# Altium PCB PCB.PcbDoc
Units mil, origin at the board's own origin, x right, y up, seen from the top; angles counter-clockwise.
Board outline 9031 x 5578 mil, 2 copper layers (Top Layer, Bottom Layer); 157 components, 77 nets, 415 pads, 525 vias.
Unrouted connection lines stored in the file: 21.
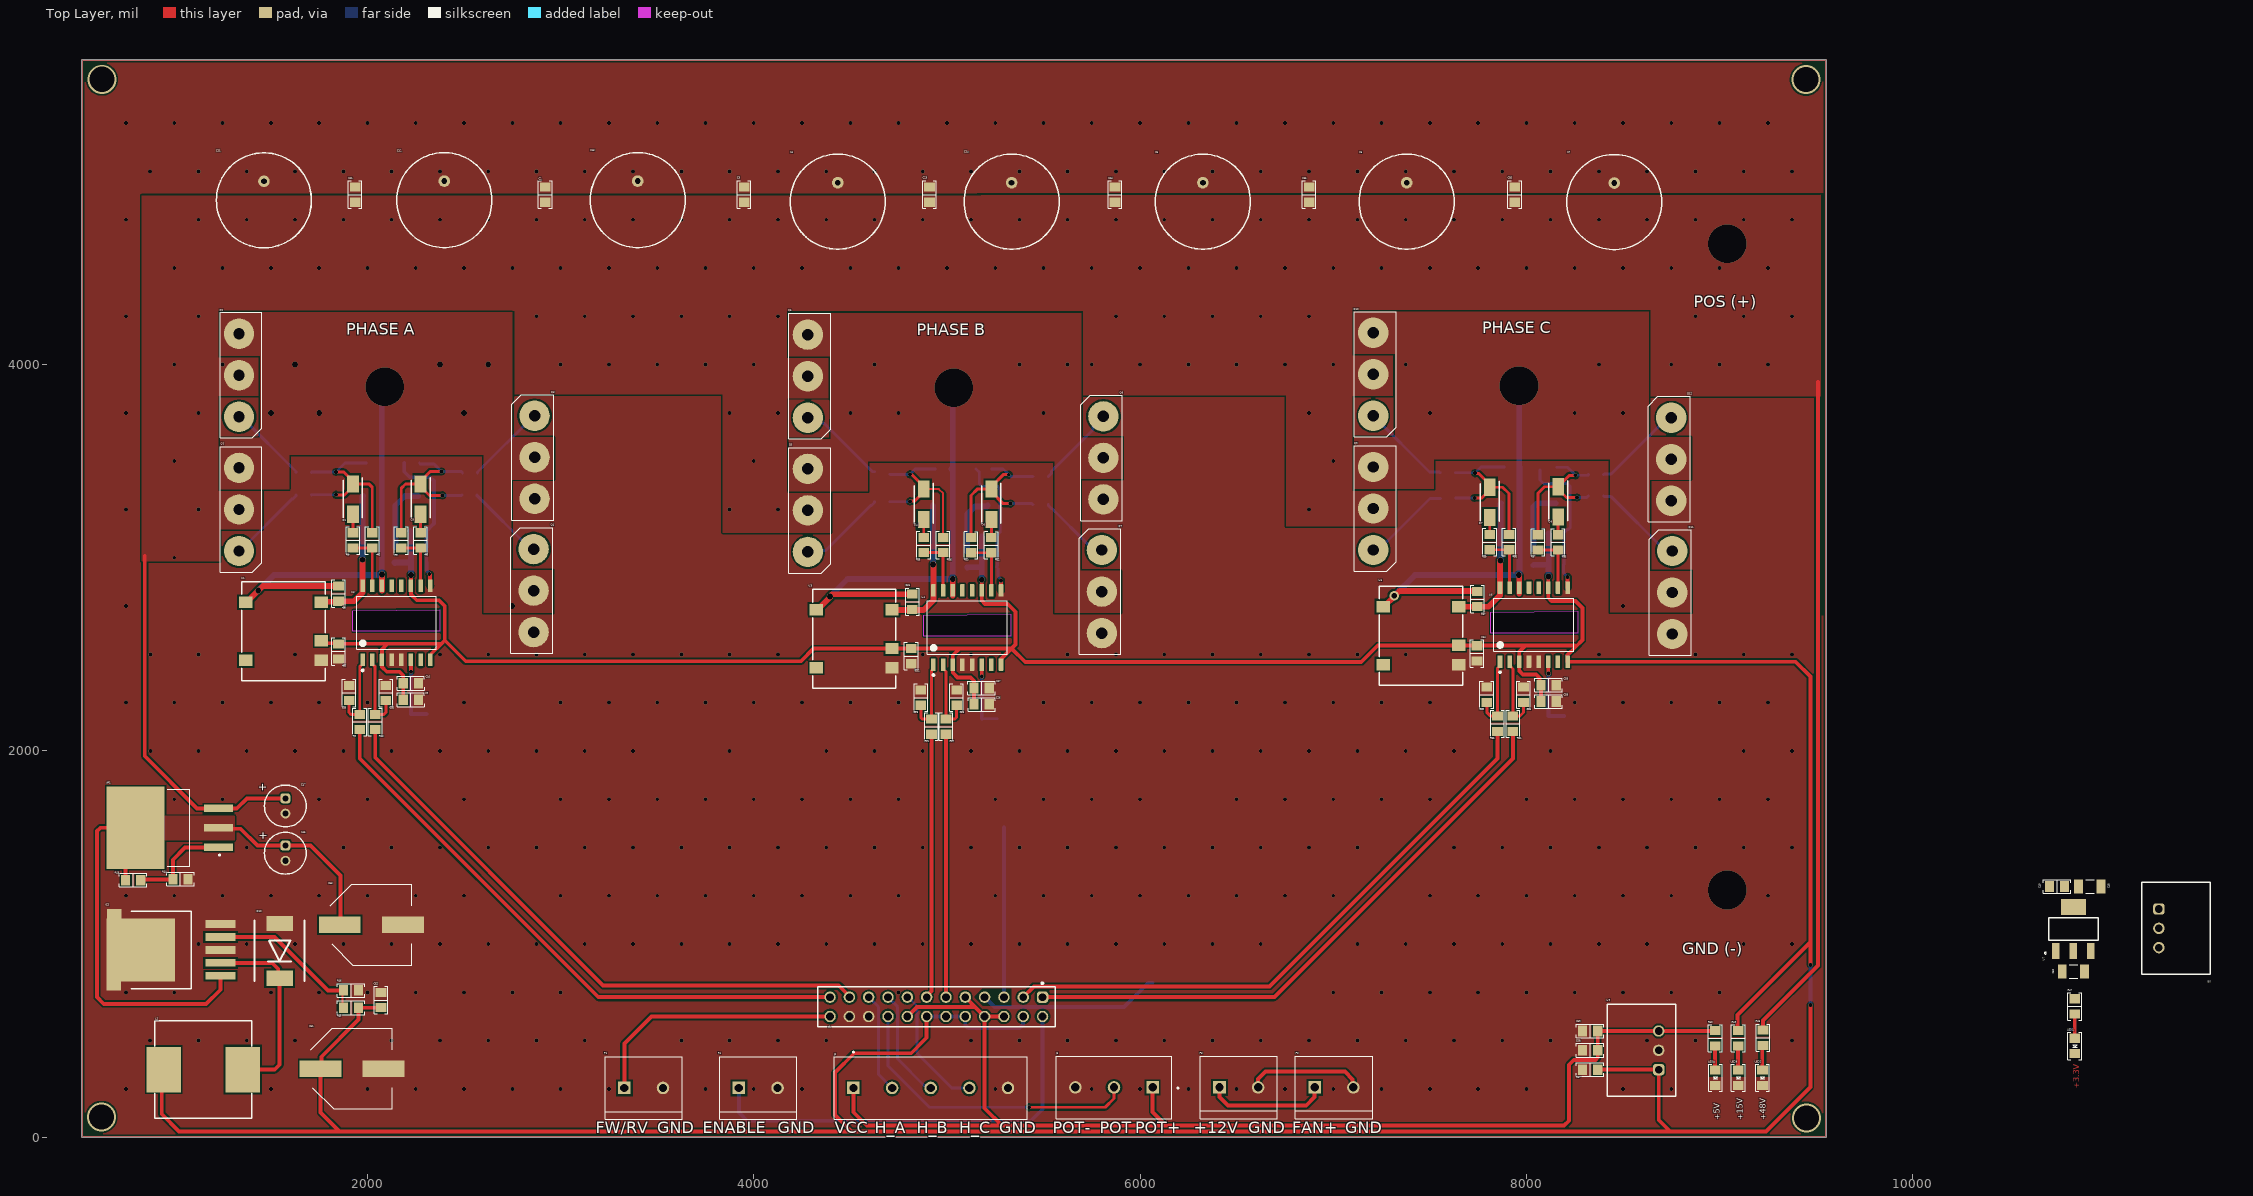
[diagram p0: Top Layer view]
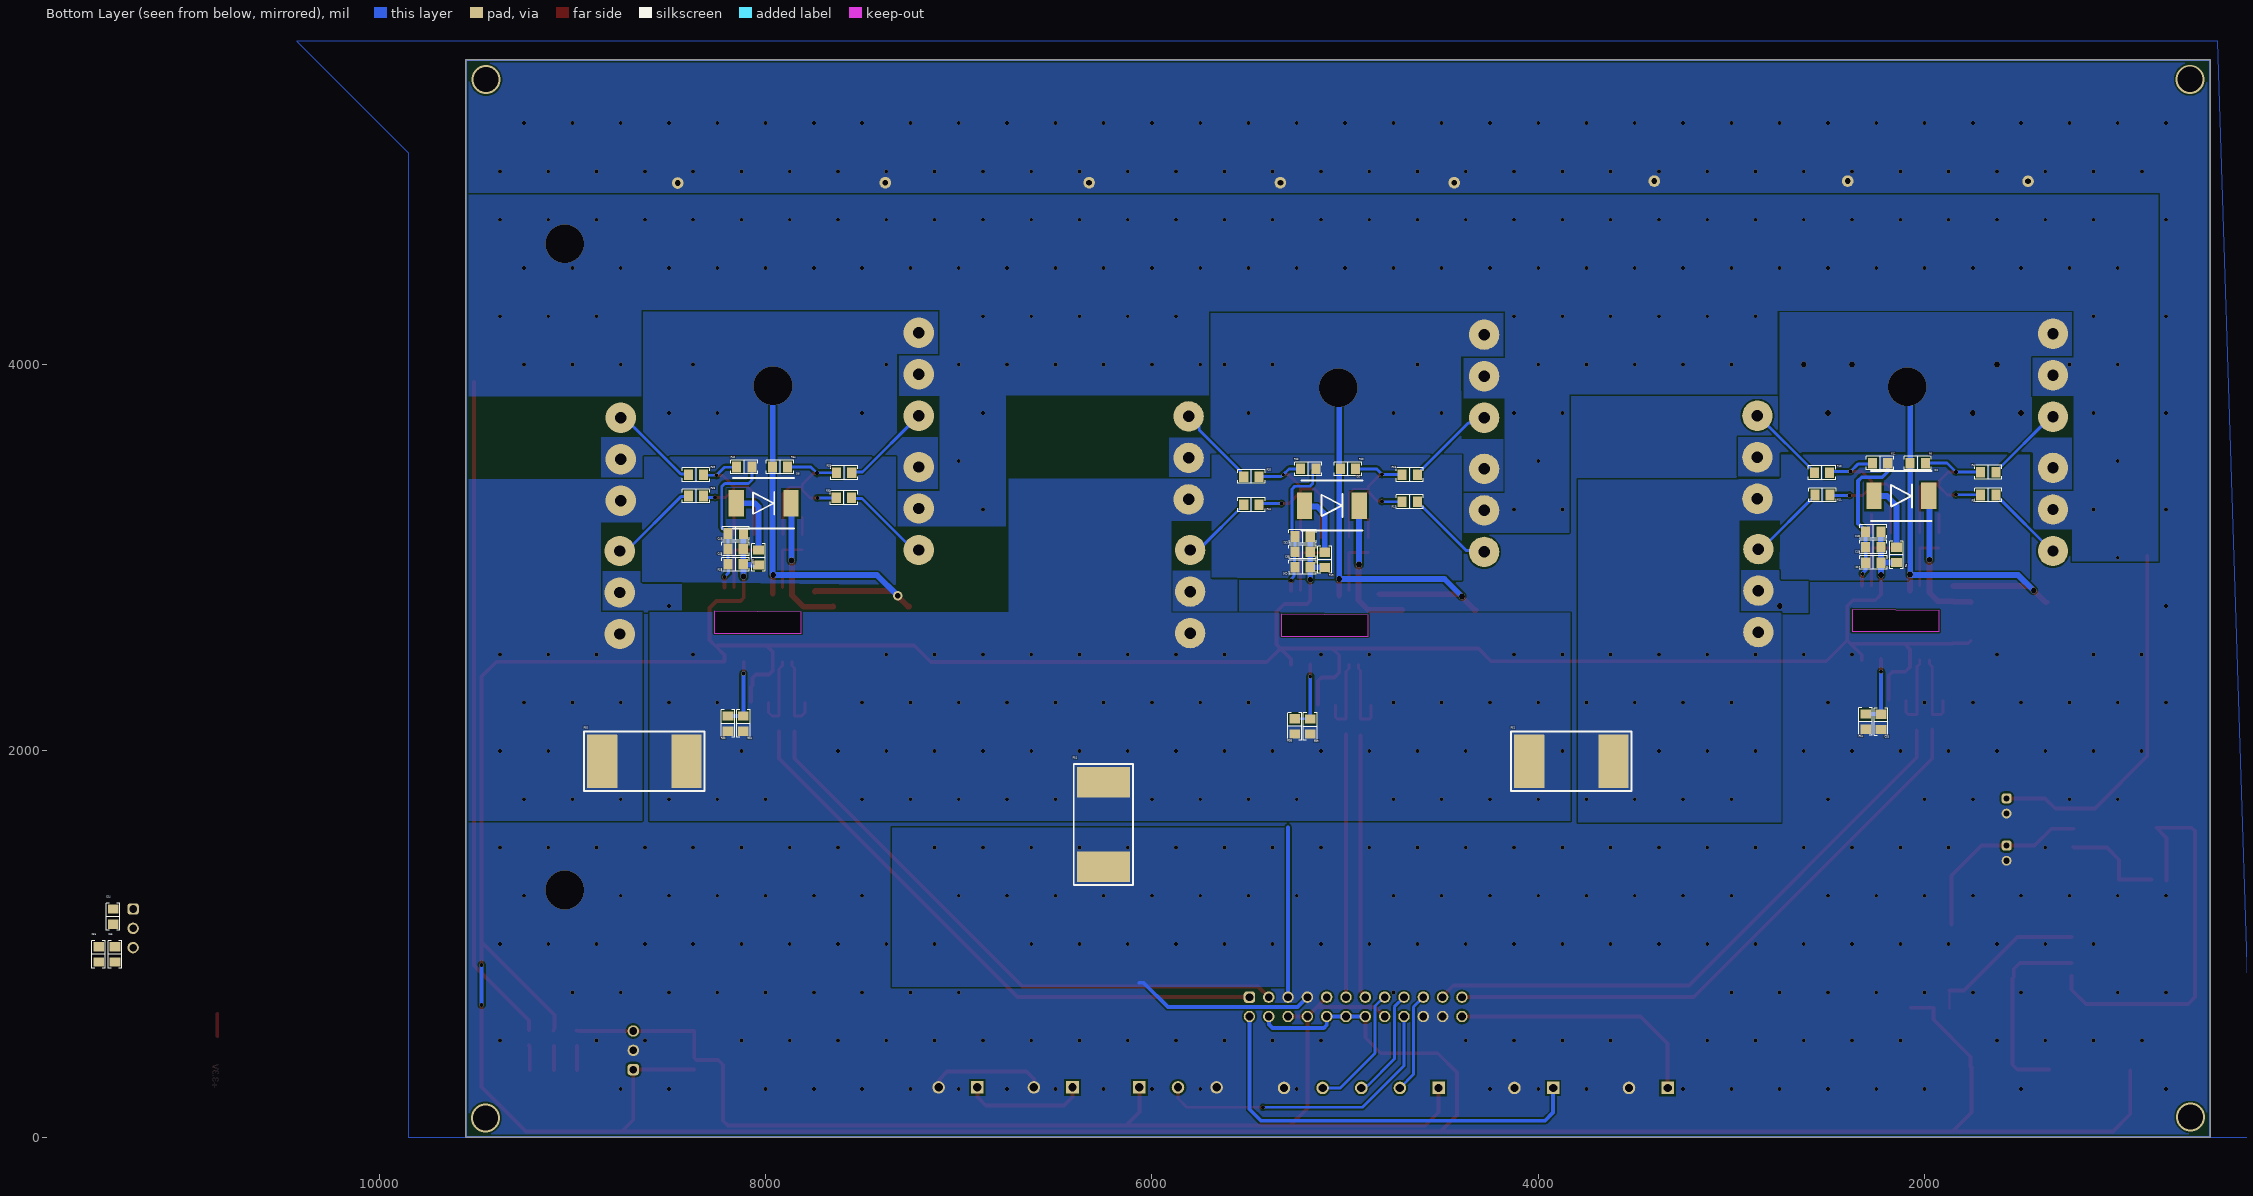
[diagram p1: Bottom Layer view, seen from below]
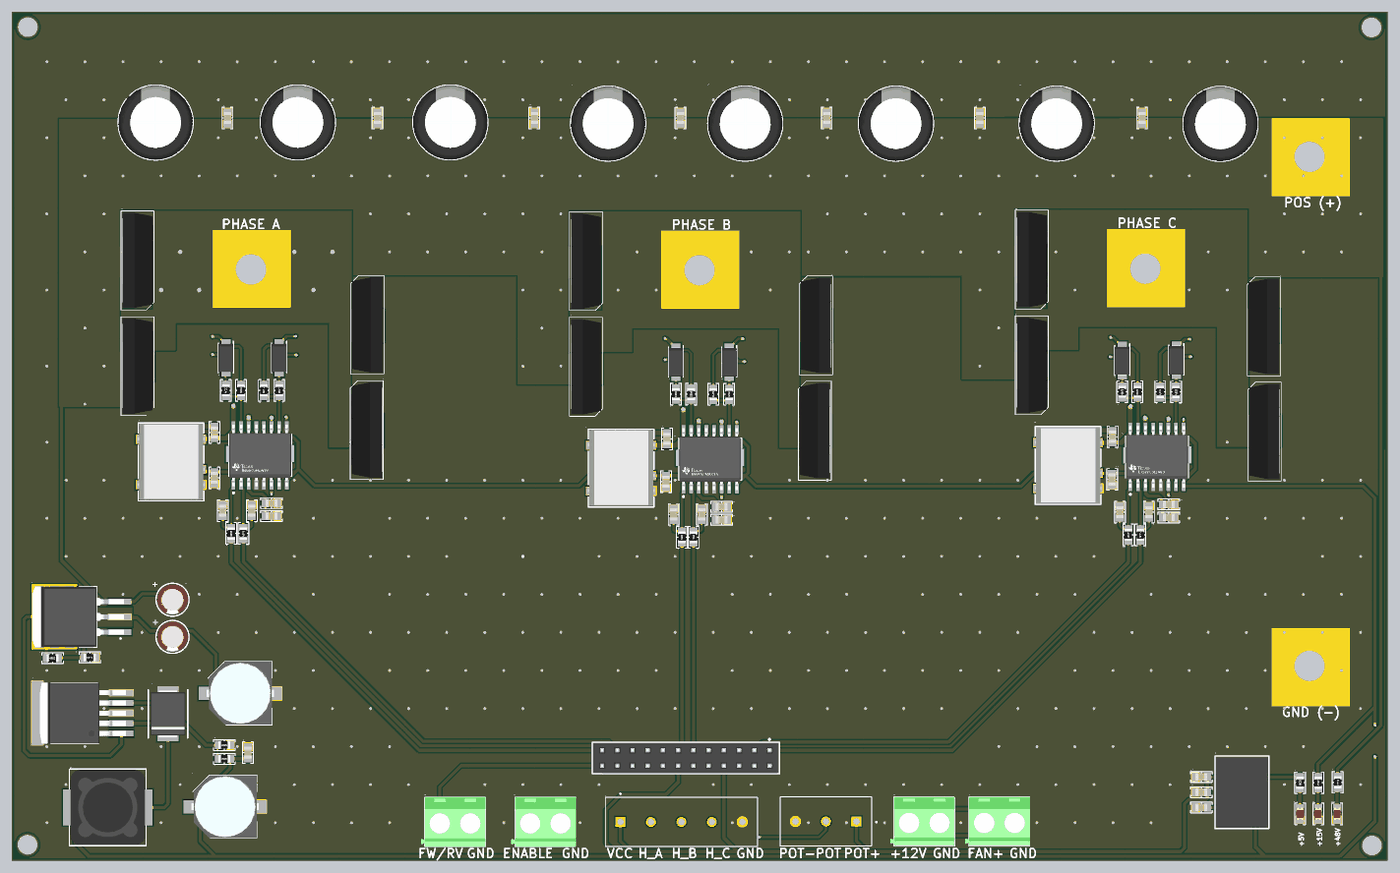
[diagram p2: 3D render of the assembled board from above, using the file's embedded part models]
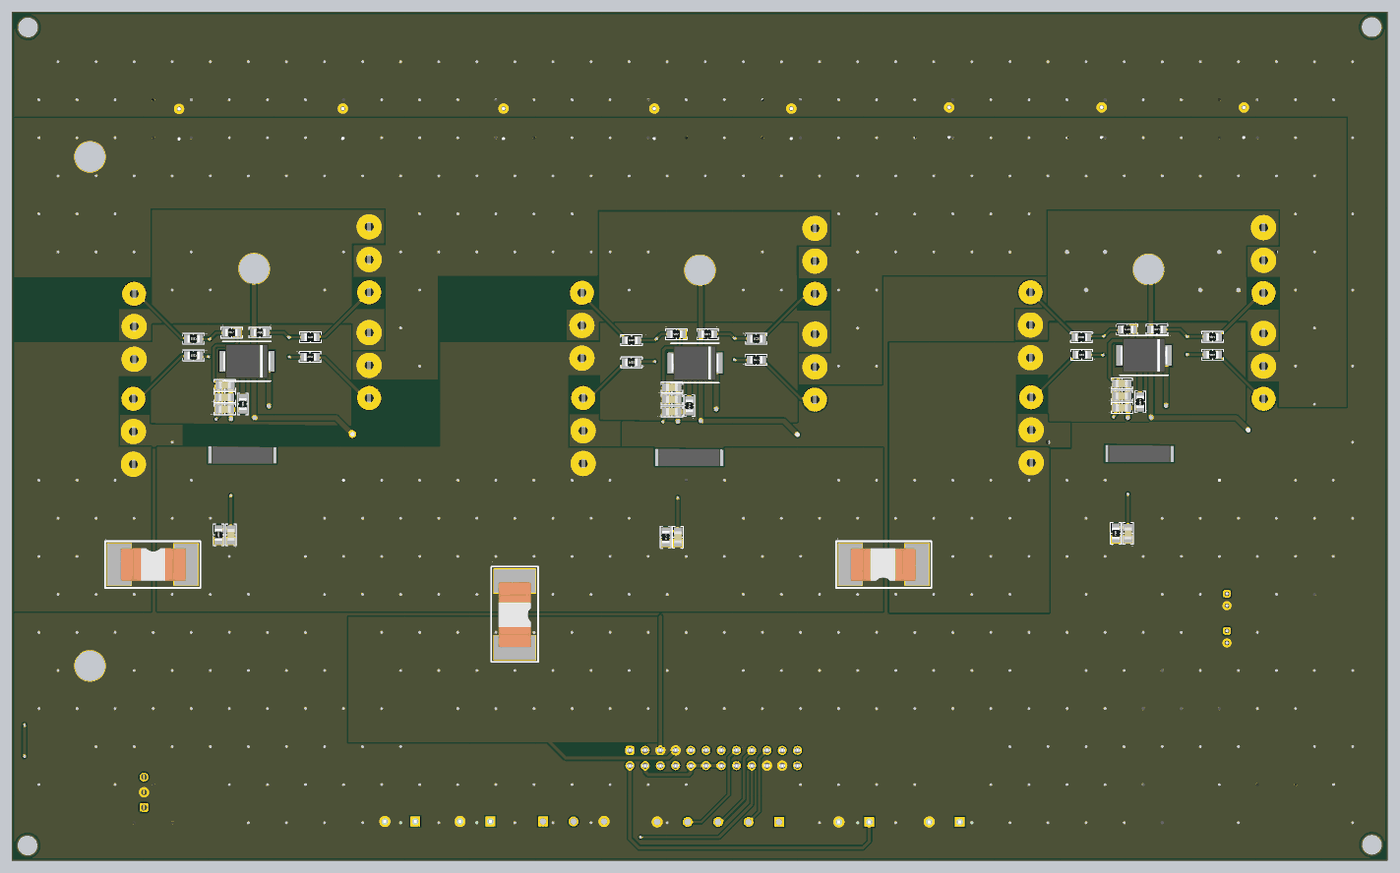
[diagram p3: 3D render of the assembled board from below, using the file's embedded part models]

## Layer stack, top to bottom
Top Solder: solder mask 0.4, Solder Resist, Dk 3.5
Top Layer: signal copper 1.4
Dielectric 1: dielectric 12.6, FR-4, Dk 4.8
Bottom Layer: signal copper 1.4
Bottom Solder: solder mask 0.4, Solder Resist, Dk 3.5

## Board outline
521,0 521,5578 9552,5578 9552,0
cut-out: 7815,2609.39 7815,2716.69 8265,2721.87 8265,2609.39
cut-out: 1925,2618.76 1925,2726.06 2375,2731.24 2375,2618.76
cut-out: 4880,2594.39 4880,2701.69 5330,2706.87 5330,2594.39

## Design rules (kind name [scope] priority, off if disabled: settings)
Clearance [All] p1: gap=10 ignorepadtopadclearanceinfootprint=FALSE except(0: Arc-Hole Track-Hole SMDPad-Hole THPad-Hole Via-Hole Fill-Hole Poly-Hole Region-Hole Text-Hole)
PolygonConnect [All] p1: connectstyle=Direct reliefconductorwidth=10 reliefentries=4 polygonreliefangle="90 Angle" airgapwidth=10
RoutingVias [All] p1: holewidth=28 width=50 viastyle="Through Hole" minholewidth=28 minwidth=50 maxholewidth=28 maxwidth=50
SolderMaskExpansion [All] p1: expansion=4 istentingtop=FALSE
Width [All] p1: maxlimit=40 minlimit=10 preferedwidth=10 minimp=50.000000 maximp=50.000000 favimp=50.000000
30 further rules are at their usual default settings.

## Classes and differential pairs
component class Regulator: C46 C47 C48 C49 C50 C51 C52 C53 C54 C55 C56 C57 C58 C59 D10 IC1 L1 LED1 LED2 LED3 LED4 R43 R44 R45 R46 R47 R48 R49 R50 U7 U8 U9 VR1
component class Power: C1 C2 C3 C4 C5 C6 C7 C8 C9 C10 C11 C12 C13 C14 C15 C16 C17 C18 C19 C20 C21 C22 C23 C24 C25 C26 C27 C28 C29 C30 C31 C32 C33 C34 C35 C36 C37 C38 C39 C40 C41 C42 C43 C44 C45 D1 D2 D3 D4 D5 D6 D7 D8 D9 J1 J2 J3 P1 P2 P3 P4 Q1 Q2 Q3 Q4 Q5 Q6 Q7 Q8 Q9 Q10 Q11 Q12 R1 R2 R3 R4 R5 R6 R7 R8 R9 R10 R11 R12 R13 R14 R15 R16 R17 R18 R19 R20 R21 R22 R23 R24 R25 R26 R27 R28 R29 R30 R31 R32 R33 R34 R35 R36 R37 R38 R39 R40 R41 R42 R51 R54 R55 U1 U2 U3 U4 U5 U6

## Components (designator, comment, footprint, x,y, rotation, side; value= is the part's Value field where it differs from the comment)
C1 "1uF 25V" 0805_CAP 1850,2515 r270 top
C2 "2.2uF 250V" 0805_CAP 2920,4880 r270 top
C3 "2.2uF 250V" 0805_CAP 3950,4880 r270 top
C4 "220uF" "220uF 100V Cap" 4435,4843.43 r90 top
C5 "220uF" "220uF 100V Cap" 6325,4843.43 r90 top
C6 "220uF" "220uF 100V Cap" 7380,4843.43 r90 top
C7 "220uF" "220uF 100V Cap" 8455,4841.57 r90 top
C8 "1uF 25V" 0805_CAP 1849.72,2814.37 r270 top
C9 "100nF 50V" 0805_CAP 2224.37,2265 r180 top
C10 "1uF 50V" 0805_CAP 2224.37,2350 r180 top
C11 "220uF" "220uF 100V Cap" 1464,4850.57 r90 top
C12 "220uF" "220uF 100V Cap" 2398,4851.43 r90 top
C13 "220uF" "220uF 100V Cap" 3399,4851.43 r90 top
C14 "220uF" "220uF 100V Cap" 5335,4843.43 r90 top
C15 "10pF 50V" 0805_CAP 1905,2300 r270 top
C16 "2.2nF 50V" 0805_CAP 2225,2150.63 r90 bottom
C17 "200nF 50V" 0805_CAP 2265,2975 r180 bottom
C18 "10uF 50V" 0805_CAP 2265.63,3135 r180 bottom
C19 "10uF 50V" 0805_CAP 2265.63,3055 r180 bottom
C20 "10pF 50V" 0805_CAP 2095,2300 r270 top
C21 "0.1uF 250V" 0805_CAP 1936,4880 r270 top
C22 "1uF 25V" 0805_CAP 4815,2490.63 r270 top
C23 "2.2uF 250V" 0805_CAP 4910,4880 r270 top
C24 "2.2uF 250V" 0805_CAP 5870,4880 r270 top
C25 "1uF 25V" 0805_CAP 4821,2772 r270 top
C26 "100nF 50V" 0805_CAP 5180,2240.63 r180 top
C27 "1uF 50V" 0805_CAP 5179.37,2325.63 r180 top
C28 "10pF 50V" 0805_CAP 4865,2275.63 r270 top
C29 "2.2nF 50V" 0805_CAP 5180,2126.26 r90 bottom
C30 "200nF 50V" 0805_CAP 5219.37,2950.63 r180 bottom
C31 "10uF 50V" 0805_CAP 5219.37,3030.34 r180 bottom
C32 "10uF 50V" 0805_CAP 5219.37,3110.34 r180 bottom
C33 "10pF 50V" 0805_CAP 5050,2275.63 r270 top
C34 "1uF 25V" 0805_CAP 7744,2505 r270 top
C35 "2.2uF 250V" 0805_CAP 7940,4880 r270 top
C36 "2.2uF 250V" 0805_CAP 6875,4880 r270 top
C37 "1uF 25V" 0805_CAP 7746,2786 r270 top
C38 "100nF 50V" 0805_CAP 8115,2255.63 r180 top
C39 "1uF 50V" 0805_CAP 8115,2340.63 r180 top
C40 "10pF 50V" 0805_CAP 7795,2290.63 r270 top
C41 "2.2nF 50V" 0805_CAP 8115,2141.26 r90 bottom
C42 "200nF 50V" 0805_CAP 8155,3045.34 r180 bottom
C43 "10uF 50V" 0805_CAP 8154.37,3125.34 r180 bottom
C44 "10uF 50V" 0805_CAP 8155,2965.63 r180 bottom
C45 "10pF 50V" 0805_CAP 7985,2290.63 r270 top
C46 "1µF 200V" WCAP-ATG5_D5H11 1575,1470.63 r90 top
C47 "1µF 200V" WCAP-ATG5_D5H11 1575,1715 r90 top
C48 "" CAPC3216X110N 10917,1298 r0 top value=10uF
C49 "100nF 16V" 0805_CAP 10747,1298 r0 top
C50 "" CAPC3216X110N 10832,858 r180 top value=10uF
C51 "220 uF 25V" CAPAE1030X1060N 1920,355 r0 top
C52 "680pF 25V" 0805_CAP 2070,710 r270 top
C53 "680 uF 100V" CAPAE1030X1060N 2020,1100 r0 top
C54 "100nF 25V" 0805_CAP 11378,1141.63 r90 bottom
C55 "1uF 25V" 0805_CAP 11368,946.63 r90 bottom
C56 "10uF 25V" 0805_CAP 11453,946.63 r90 bottom
C57 "100nF 25V" 0805_CAP 8330,350 r0 top
C58 "1uF 25V" 0805_CAP 8330,450 r0 top
C59 "10uF 25V" 0805_CAP 8330,550 r0 top
D1 "M7" DIOM5025X220N 1925,3303.74 r270 top
D2 "SS36-HT" DO-214AB#1 2120,3320 r180 bottom
D3 "M7" DIOM5025X220N 2275,3303.74 r270 top
D4 "M7" DIOM5025X220N 4880,3276.26 r270 top
D5 "SS36-HT" DO-214AB#1 5068.27,3270 r180 bottom
D6 "M7" DIOM5025X220N 5230,3276.26 r270 top
D7 "M7" DIOM5025X220N 7810,3286.26 r270 top
D8 "SS36-HT" DO-214AB#1 8010.27,3282 r180 bottom
D9 "M7" DIOM5025X220N 8165,3289 r270 top
D10 "SK54-HT" DO-214AB#2 1545,965 r270 top
IC1 "LM2596HV" TO-263-5 963.22,971 r90 top
J1 "61302421821" 61302421821 4945,675 r180 top
J2 "Hall" TE_282837-5 4916,255 r0 top
J3 "Pot" TE_282837-3 5865,258 r180 top
L1 "47uH 2A" "BOURNS SRR1280" 1150,350 r180 top
LED1 "Green" 0805LED 10839,473 r270 top
LED2 "Green" 0805LED 9222,307.97 r270 top
LED3 "Green" 0805LED 9096.9,307.97 r270 top
LED4 "Green" 0805LED 8978.09,308 r270 top
P1 "FW/RV" TE_282837-2 3430,255 r0 top
P2 "Fan" TE_282837-2 7004,258 r0 top
P3 "+12V" TE_282837-2 6511,258 r0 top
P4 "Enable" TE_282837-2 4023,255 r0 top
Q1 "IRFP4310ZPbF" TO-247 1335,3250 r90 top
Q2 "IRFP4310ZPbF" TO-247 1335,3944.96 r90 top
Q3 "IRFP4310ZPbF" TO-247 2865,3520 r270 top
Q4 "IRFP4310ZPbF" TO-247 2860,2830 r270 top
Q5 "IRFP4310ZPbF" TO-247 4280,3244.96 r90 top
Q6 "IRFP4310ZPbF" TO-247 4280,3939.96 r90 top
Q7 "IRFP4310ZPbF" TO-247 5802,2824.96 r270 top
Q8 "IRFP4310ZPbF" TO-247 5810,3516.96 r270 top
Q9 "IRFP4310ZPbF" TO-247 7207,3255 r90 top
Q10 "IRFP4310ZPbF" TO-247 7207,3949.96 r90 top
Q11 "IRFP4310ZPbF" TO-247 8755,2820 r270 top
Q12 "IRFP4310ZPbF" TO-247 8750,3510 r270 top
R1 "20 Ohms" 0805_RES 1925,3090 r90 top
R2 "20 Ohms" 0805_RES 2025,3090 r90 top
R3 "10 Ohms" 0805_RES 1670.03,3325 r180 bottom
R4 "10 Ohms" 0805_RES 1670,3442 r180 bottom
R5 "0 Ohms" 0805_RES 2145,3015 r90 bottom
R6 "1k Ohms" 0805_RES 2035,3490 r180 bottom
R7 "0 Ohms" 0805_RES 1960,2150 r90 top
R8 "20 ohms" 0805_RES 2275,3090 r90 top
R9 "20 Ohms" 0805_RES 2175,3090 r90 top
R10 "10 Ohms" 0805_RES 2530.97,3439.72 r0 bottom
R11 "10 Ohms" 0805_RES 2528.6,3324.72 r0 bottom
R12 "1k Ohms" 0805_RES 2230,3490 r0 bottom
R13 "0 Ohms" 0805_RES 2040,2150 r90 top
R14 "20k Ohms" 0805_RES 2305,2151.26 r90 bottom
R15 "20 Ohms" 0805_RES 4880,3065.63 r90 top
R16 "20 Ohms" 0805_RES 4980,3065.63 r90 top
R17 "10 Ohms" 0805_RES 4665,3290 r180 bottom
R18 "10 Ohms" 0805_RES 4665,3430 r180 bottom
R19 "0 Ohms" 0805_RES 5105,2989.37 r90 bottom
R20 "1k Ohms" 0805_RES 4985,3460 r180 bottom
R21 "0 Ohms" 0805_RES 4920,2125.63 r90 top
R22 "20 ohms" 0805_RES 5230,3065 r90 top
R23 "20 Ohms" 0805_RES 5125,3065 r90 top
R24 "10 Ohms" 0805_RES 5484.97,3274.72 r0 bottom
R25 "10 Ohms" 0805_RES 5485,3420 r0 bottom
R26 "1k Ohms" 0805_RES 5190.6,3460 r0 bottom
R27 "0 Ohms" 0805_RES 4995,2125.63 r90 top
R28 "20k Ohms" 0805_RES 5260,2126.89 r90 bottom
R29 "20 Ohms" 0805_RES 7810,3080.63 r90 top
R30 "20 Ohms" 0805_RES 7910,3080.63 r90 top
R31 "10 Ohms" 0805_RES 7595,3310 r180 bottom
R32 "10 Ohms" 0805_RES 7593.03,3440 r180 bottom
R33 "0 Ohms" 0805_RES 8037,3001 r90 bottom
R34 "1k Ohms" 0805_RES 7925,3470 r180 bottom
R35 "20 ohms" 0805_RES 8164,3080 r90 top
R36 "0 Ohms" 0805_RES 7850,2140.63 r90 top
R37 "20 Ohms" 0805_RES 8060,3080 r90 top
R38 "10 Ohms" 0805_RES 8359.97,3320 r0 bottom
R39 "10 Ohms" 0805_RES 8359.97,3430 r0 bottom
R40 "1k Ohms" 0805_RES 8110.63,3470 r0 bottom
R41 "0 Ohms" 0805_RES 7930,2140.63 r90 top
R42 "20k Ohms" 0805_RES 8195,2141.26 r90 bottom
R43 "82 Ohms" 0805_RES 787,1331 r0 top
R44 "5.6k Ohms" 0805_RES 1032,1336 r0 top
R45 "11k Ohms" 0805_RES 1915,670 r180 top
R46 "1k Ohms" 0805_RES 1915,760 r0 top
R47 "2.2k Ohms" 0805_RES 10839,677.37 r90 top
R48 "22k Ohms" 0805_RES 9225,515 r90 top
R49 "10k Ohms" 0805_RES 9097.19,512.37 r90 top
R50 "2.2k Ohms" 0805_RES 8978.09,512.37 r90 top
R51 "2mR 6W" 3920 3827,1946 r0 bottom
R54 "2mR 6W" 3920 6251,1621 r270 bottom
R55 "2mR 6W" 3920 8630.06,1946 r180 bottom
U1 "5Vin, 15Vout" WPME-FISM_SMT-8_L12.75W10.7H6.95 1565,2620 r90 top
U2 "UCC20520" UCC20520 2356.69,2513.46 r90 top
U3 "5Vin, 15Vout" WPME-FISM_SMT-8_L12.75W10.7H6.95 4520,2580 r90 top
U4 "UCC20520" UCC20520 5311.69,2489.09 r90 top
U5 "5Vin, 15Vout" WPME-FISM_SMT-8_L12.75W10.7H6.95 7454.13,2597 r90 top
U6 "UCC20520" UCC20520 8245,2504.09 r90 top
U7 "LD1117S33TR" SOT230P700X180-4N 10832,1078 r90 top
U8 "7-28Vin, 3.3Vout, 1Aout" WPME-FDSM_SIP-3_L11.6W8.5H10.5 11363,1081.63 r270 top
U9 "7-28Vin, 3.3Vout, 1Aout" WPME-FDSM_SIP-3_L11.6W8.5H10.5 8596.42,450 r90 top
VR1 "TL783" TL783 1228.35,1502 r90 top

## Footprints (in the part's own frame and the unit in brackets; to place one, negate y for a bottom-side part, rotate by r counter-clockwise, add the part's x,y. Pads: shape width x height; smd on the part's side, far side on the other; paste and mask are expansions set on the pad)
"220uF 100V Cap" [mil]
  rect 60x60 on Top Solder: 1(-98.43,0)
  round 60 hole 30: 2(98.43,0)
  silkscreen extent -246,-246 246,246, body extent -246,-246 246,246, height 984
0805_CAP [mm]
  rect 1.2x1.4 smd: 1(-1,0) 2(1,0)
  silkscreen extent -1.8,-0.9 1.8,0.9, body extent -1,-0.63 1,0.63, height 0.6
0805_RES [mm]
  rect 1.2x1.4 smd: 1(-1,0) 2(1,0)
  silkscreen extent -1.8,-0.9 1.8,0.9, body extent -1,-0.62 1,0.63, height 0.6
0805LED [mm]
  rect 1.2x1.4 smd: 1(-1,0) 2(1,0)
  silkscreen extent -1.8,-0.9 1.8,0.9, body extent -1.01,-0.62 1.01,0.63, height 1.1
3920 [mm]
  rrect1% 4x7 smd: 1(-5.5,0) 2(5.6,0)
  silkscreen extent -7.9,-3.9 8,3.9, body extent -5.32,-2.75 5.6,2.77, height 2.03
61302421821 [mm] "Socket Header, Pitch 2.54 mm, THT, Vertical, dual row, 24p"
  rrect50% 1.5x1.5 hole 1.02: 1(-13.97,-1.27)
  round 1.5 hole 1.02: 2(-13.97,1.27) 3(-11.43,-1.27) 4(-11.43,1.27) 5(-8.89,-1.27) 6(-8.89,1.27) 7(-6.35,-1.27) 8(-6.35,1.27) 9(-3.81,-1.27) 10(-3.81,1.27) 11(-1.27,-1.27) 12(-1.27,1.27) 13(1.27,-1.27) 14(1.27,1.27) 15(3.81,-1.27) 16(3.81,1.27) 17(6.35,-1.27) 18(6.35,1.27) 19(8.89,-1.27) 20(8.89,1.27) 21(11.43,-1.27) 22(11.43,1.27) 23(13.97,-1.27) 24(13.97,1.27)
  silkscreen extent -15.62,-3.22 15.62,2.62, body extent -15.49,-2.54 15.49,2.54, height 8.45
"BOURNS SRR1280" [mm]
  rect 4.5x6 smd: 1(-5.2,0) 2(5.2,0)
  silkscreen extent -6.4,-6.4 6.4,6.4, body extent -6.25,-6.25 6.25,6.25, height 7.9
CAPAE1030X1060N [mm]
  rect 5.5x2.2 smd: 1(-4.15,0) 2(4.15,0)
  silkscreen extent -5.4,-5.3 5.3,5.3, body extent -5.6,-5.25 5.6,5.25, height 10.6
CAPC3216X110N [mm]
  rect 1.16x1.82 smd: 1(-1.475,0) 2(1.475,0)
  silkscreen extent -0.57,-0.9 0.57,0.9
DIOM5025X220N [mm]
  rect 2.25x1.55 smd: 1(-2,0) 2(2,0)
  silkscreen extent -2.78,-1.25 2.47,1.25, body extent -2.47,-1.25 2.47,1.25, height 2.2
DO-214AB#1 [mm]
  rect 2x3.5 smd mask+0.102: 1(-3.6,0) 2(3.6,0)
  silkscreen extent -4,-3.3 4,3.3, body extent -3.95,-2.9 3.95,2.9, height 2.5
DO-214AB#2 [mm]
  rect 2x3.5 smd mask+0.05: 1(-3.6,0) 2(3.6,0)
  silkscreen extent -4,-3.3 4,3.3, body extent -3.95,-2.9 3.95,2.9, height 2.5
SOT230P700X180-4N [mm]
  rect 2.15x1 smd: 1(-2.9,2.3) 2(-2.9,0) 3(-2.9,-2.3)
  rect 2.15x3.25 smd: 4(2.9,0)
  silkscreen extent -3.3,-3.25 1.5,3.81, body extent -3.25,-3.5 3.25,3.5, height 1.8
TE_282837-2 [mm]
  rect 1.65x1.65 / inner round 1.65 / far side rect 1.65x1.65 hole 1.1: 1(-2.54,0)
  round 1.65 hole 1.1: 2(2.54,0)
  silkscreen extent -5.08,-4.1 5.08,4.1, body extent -5.68,-4.1 5.08,4.1, height 10
TE_282837-3 [mm]
  rect 1.65x1.65 hole 1.1: 1(-5.08,0)
  round 1.65 hole 1.1: 2(0,0) 3(5.08,0)
  silkscreen extent -8.5,-4.1 7.62,4.1
TE_282837-5 [mm]
  rect 1.65x1.65 hole 1.1: 1(-10.16,0)
  round 1.65 hole 1.1: 2(-5.08,0) 3(0,0) 4(5.08,0) 5(10.16,0)
  silkscreen extent -12.7,-4.1 12.7,4.8
TL783 [mm]
  rect 0.99x3.79 smd: 1(0,0) 2(2.54,0) 3(5.08,0)
  rect 10.84x7.62 smd paste-6: 4(2.54,10.88)
  silkscreen extent -2.54,-0.25 7.62,6.76, body extent -2.54,-0.71 7.62,14.53, height 4.83
TO-247 [mm]
  round 4 hole 1.5: 1(-5.46,0) 2(0,0) 3(5.46,0)
  silkscreen extent -8.25,-3 8.25,2.5, body extent -7.95,-2.8 7.95,2.3, height 27.95
TO-263-5 [mm]
  rect 1.02x4 smd: 1(-3.436,-7.005) 2(-1.736,-7.005) 3(-0.036,-7.005) 4(1.664,-7.005) 5(3.364,-7.005)
  rect 1.235x1.91 smd: 3(-4.735,7.005) 3(4.735,6.993)
  rect 8.33x9 smd: 3(-0.036,3.456)
  silkscreen extent -5.12,-3.18 5.04,4.7, body extent -5.12,-7.78 5.04,6.57, height 4.72
UCC20520 [mm]
  rrect17% 1.65x0.6 smd paste+0 mask+0: 1(-1.075,9.695) 2(-1.075,8.425) 3(-1.075,7.155) 4(-1.075,5.885) 5(-1.075,4.615) 6(-1.075,3.345) 7(-1.075,2.075) 8(-1.075,0.805) 9(8.675,0.805) 10(8.675,2.075) 11(8.675,3.345) 12(8.675,4.615) 13(8.675,5.885) 14(8.675,7.155) 15(8.675,8.425) 16(8.675,9.695)
  silkscreen extent -2.57,0 7.3,10.5, body extent -2,-0.25 9.6,10.75, height 0.25
WCAP-ATG5_D5H11 [mm] "Aluminum Electrolytic Capacitors, 5x11mm"
  rrect50% 1.3x1.3 hole 0.8: 1(1,0)
  round 1.3 hole 0.8: 2(-1,0)
  silkscreen extent -2.75,-2.75 2.75,2.75, body extent -2.49,-2.5 2.5,2.5, height 11.31
WPME-FDSM_SIP-3_L11.6W8.5H10.5 [mm] "Fixed Step Down Regulator Module, SIP-3, body 11.60x8.50mm"
  rrect50% 1.5x1.5 hole 1: 1(-2.54,-2.25)
  round 1.5 hole 1: 2(0,-2.25) 3(2.54,-2.25)
  silkscreen extent -6.05,-4.5 6.05,4.5, body extent -5.8,-4.26 5.8,4.25, height 10.55
WPME-FISM_SMT-8_L12.75W10.7H6.95 [mm] "Fixed Isolated Module, SMT-8, body 12.75x10.70mm"
  rect 1.5x1.75 smd paste-403.566: 1(-3.81,-4.975) 2(-1.27,-4.975) 4(3.81,-4.975) 5(3.81,4.975) 8(-3.81,4.975)
  silkscreen extent -6.5,-5.48 6.5,5.48, body extent -6.34,-5.57 6.41,5.53, height 6.95
